# Altium PCB Copy of GameBoard_V1I1_083018.PcbDoc (part 12 of 21)
Units mil, origin at the board's own origin, x right, y up, seen from the top; angles counter-clockwise.
Board outline 7165.35 x 2763.78 mil, 12 copper layers (L1, L2, L3, L4, L5 (PWR), L6 (PWR), L7 (PWR), L8 (PWR), L9, L10, L11, L12), stack 61.575 mil thick; 1542 components, 1068 nets, 5447 pads, 3797 vias.
Unrouted connection lines stored in the file: 105.
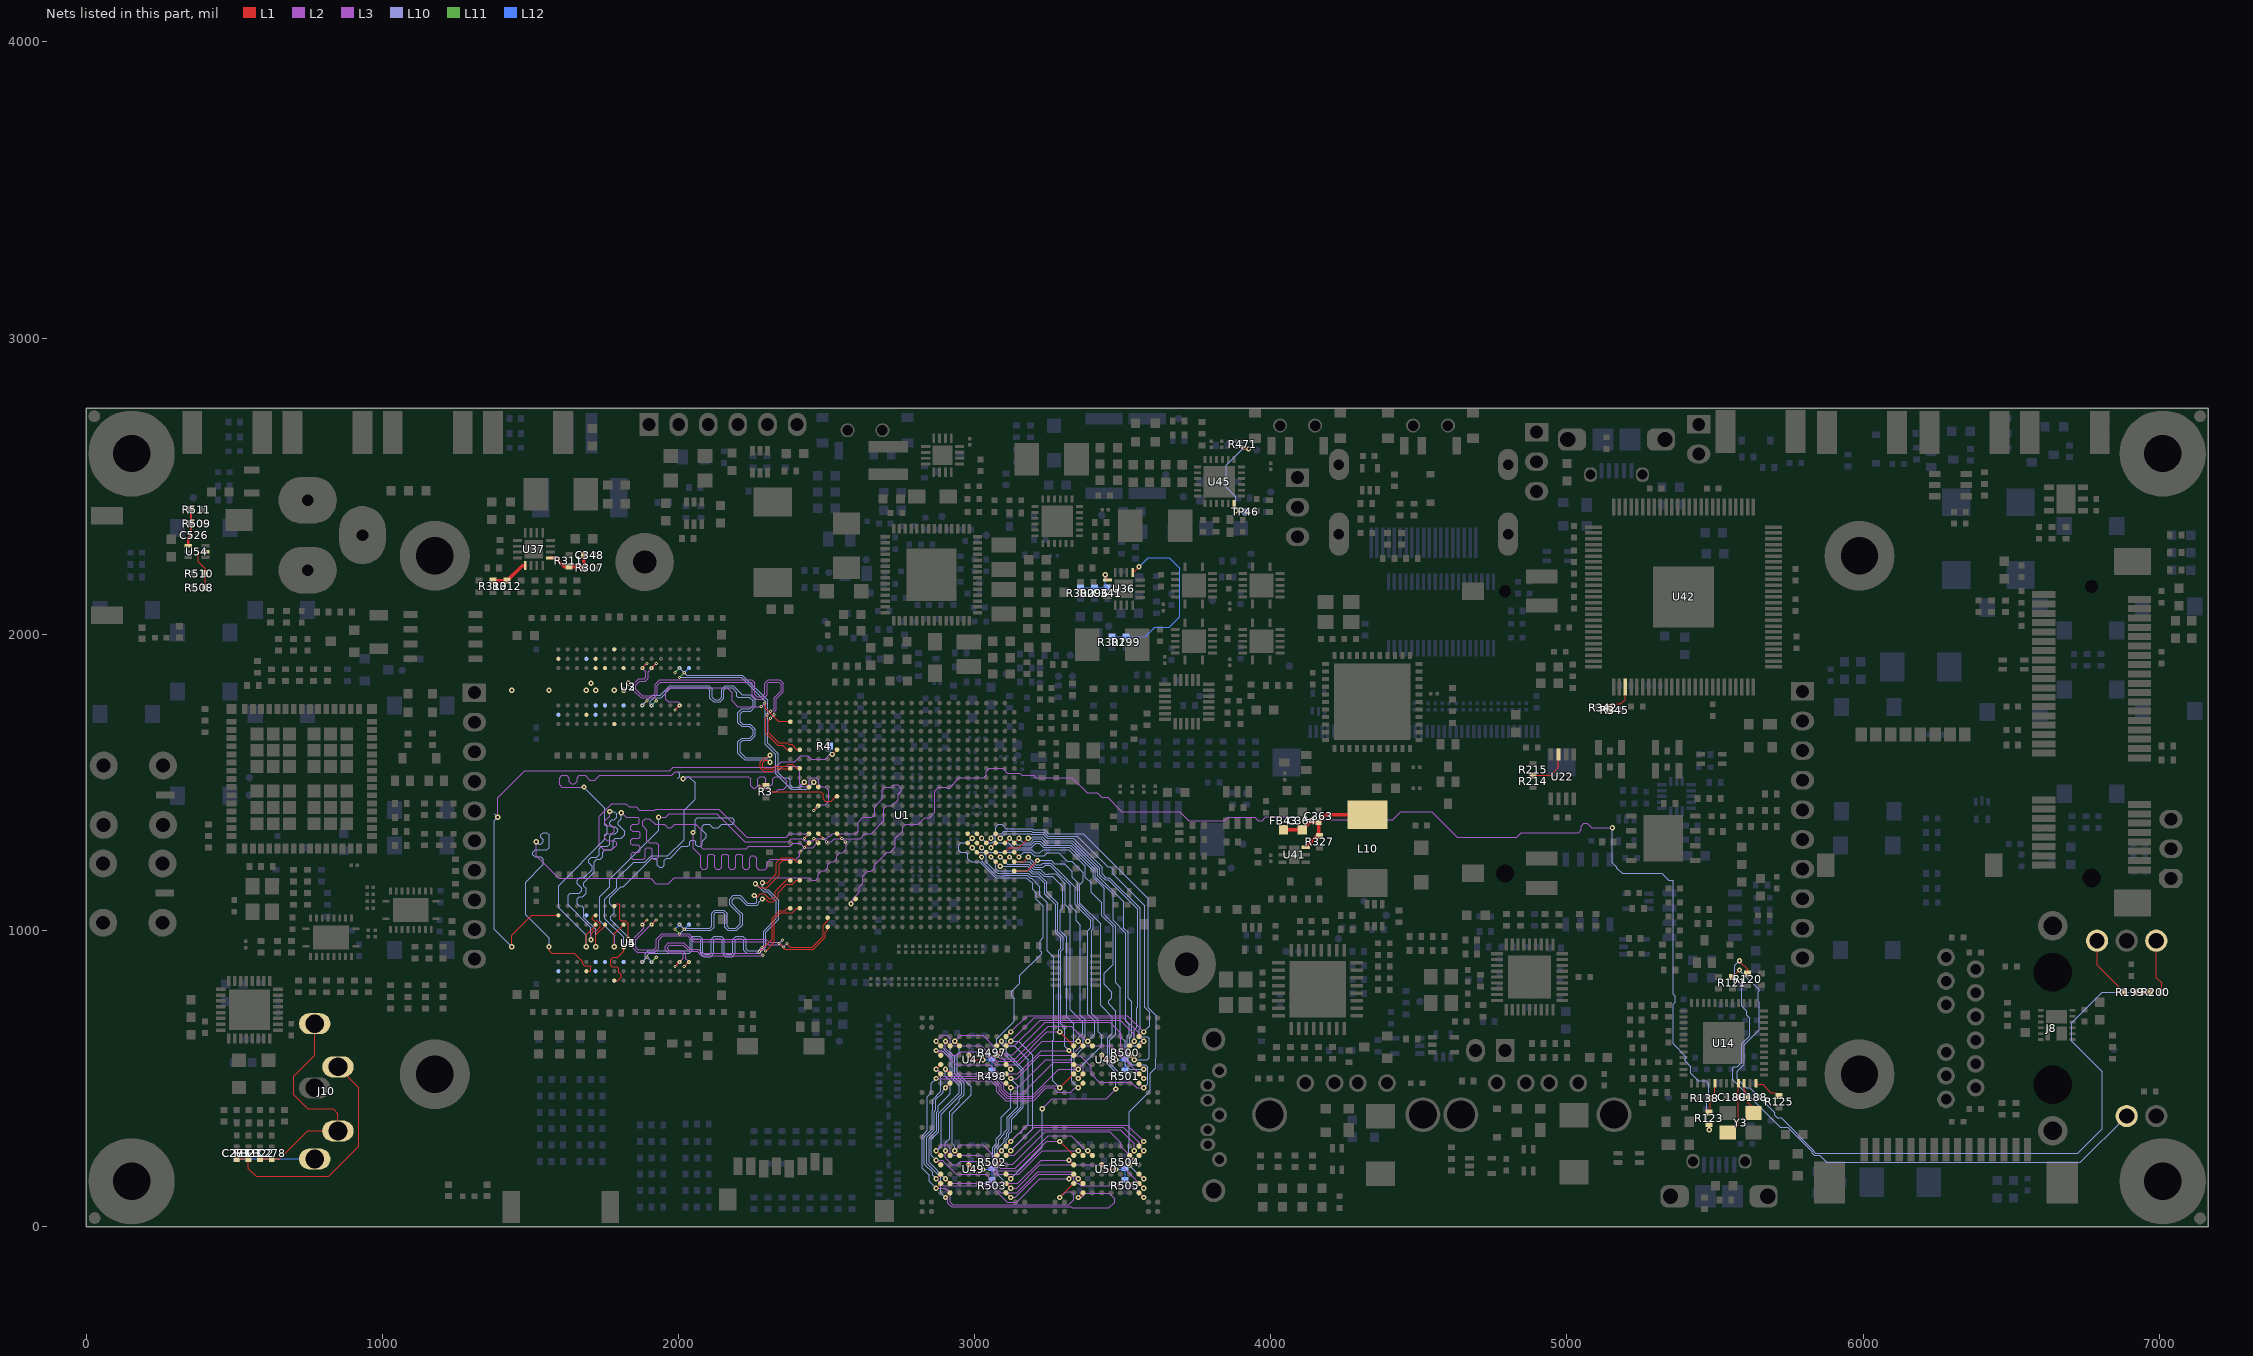
[diagram p22: the nets of this part, all layers, seen from the top]

## Via types
v1: diameter 17.72, hole 7.87, L1 to L12, 1936 vias
v2: diameter 17.72, hole 7.87, L1 to L12, tented both sides, 999 vias
v3: diameter 10.63, hole 3.94, L1 to L2, 337 vias
v4: diameter 10.63, hole 3.94, L2 to L3, 335 vias
v5: diameter 10.63, hole 3.94, L10 to L11, 96 vias
v6: diameter 10.63, hole 3.94, L11 to L12, 94 vias

## Nets (pads, with @x,y where several pads share a name; then routed paths per layer and width w, separated by ;. In a path a pad name is that pad's centre, name@x,y a point inside that pad or via, vN(x,y) a via of type N, cw(c..) or ccw(c..) an arc to the next point about the centre after c; other vN are vias at no path point) (continued)
DRAM_DQS0_P: U1.AE3 U2.C7 | length 646.1
  L1 w3.66: v3(1988.19,1744.1) v4(2003.94,1759.84)
  L1 w3.94: v3(2291.34,1767.72) 2295.28,1763.78 2295.28,1748.03 2303.74,1739.57 2303.86,1739.57 2310.43,1732.99 2310.43,1732.87 2315.55,1727.76 2315.67,1727.76 2322.24,1721.18 2322.24,1721.06 2336.61,1706.69 2375.98,1706.69 U1.AE3@2377.95,1704.73
  L3 w3.94: 2011.75,1759.84 1999.94,1771.65 1965.24,1771.65 1956.69,1780.2 1956.69,1806.41 1969.18,1818.9 2164.68,1818.9 2181.1,1802.47 2181.1,1775.59 2200.79,1755.91 v4(2279.53,1755.91) v4@2282.79,1755.91
  L2 w3.94: v3(1988.19,1744.1) v4(2003.94,1759.84) ; v4(2279.53,1755.91) v3(2291.34,1767.72)
DRAM_DQS1_N: U1.AE6 U2.G3 | length 1088.9
  L1 w3.66: v4(1877.95,1885.83) v3(1893.7,1901.57)
  L1 w3.94: v3(2299.21,1728.35) 2299.21,1720.47 2295.28,1716.54 2295.28,1666.03 2335.32,1625.98 2352.36,1625.98 2368.11,1610.24 U1.AE6@2377.95,1610.24
  L3 w3.94: v4(1877.95,1885.83) 1889.76,1874.02 1889.76,1854.9 1884.27,1849.41 1866.82,1849.41 1848.12,1830.71 1848.12,1811.44 1874.51,1785.04 1917.04,1785.04 1929.13,1797.13 1929.13,1827.45 1940.27,1838.58 2244.09,1838.58 2250,1832.68 2250,1793.98 2262.82,1781.16 2285.1,1781.16 2299.21,1795.28 2299.21,1832.06 2305.74,1838.58 2338.58,1838.58 2346.46,1830.71 2346.46,1808.95 2322.83,1785.33 2322.83,1749.18 2313.81,1740.16 v4(2311.02,1740.16)
  L2 w3.94: v4(1877.95,1885.83) v3(1893.7,1901.57) ; v3(2299.21,1728.35) v4(2311.02,1740.16)
DRAM_DQS1_P: U1.AD6 U2.F3 | length 1108.9
  L1 w3.66: v4(1909.45,1885.83) v3(1925.2,1901.57)
  L1 w3.94: v3(2311.02,1716.53) 2303.15,1708.66 2303.15,1669.29 2338.58,1633.86 2366.34,1633.86 2372.25,1627.95 2381.89,1627.95 2399.61,1610.24 U1.AD6@2409.45,1610.24
  L3 w3.94: v4(1909.45,1885.83) 1897.64,1874.02 1897.64,1851.64 1887.53,1841.54 1870.08,1841.54 1855.99,1827.45 1855.99,1814.7 1877.78,1792.91 1913.78,1792.91 1921.26,1800.39 1921.26,1830.71 1937.01,1846.46 2247.36,1846.46 2257.87,1835.94 2257.87,1797.24 2266.09,1789.03 2281.83,1789.03 2291.34,1798.54 2291.34,1835.32 2302.47,1846.46 2341.84,1846.46 2354.33,1833.97 2354.33,1805.69 2330.71,1782.07 2330.71,1745.92 2322.83,1738.04 v4(2322.83,1728.35)
  L2 w3.94: v4(1909.45,1885.83) v3(1925.2,1901.57) ; v3(2311.02,1716.53) v4(2322.83,1728.35)
DRAM_DQS2_N: U1.AE8 U3.G3 | length 1118.6
  L1 w3.94: v2(2309.06,1591.54) 2300.2,1582.68 2289.06,1582.68 2276.57,1570.19 2276.57,1548.9 2288.08,1537.4 2317.91,1537.4 2326.77,1546.26 2368.32,1546.26 2371.27,1543.31 2374.02,1543.31 U1.AE8@2377.95,1547.24
  L10 w3.94: v5(1877.95,1759.84) 1912.4,1794.29 1937.99,1794.29 1954.72,1811.02 ; 1954.72,1811.02 1970.47,1826.77 2101.69,1826.77 2114.17,1814.29 2114.17,1787.4 2122.05,1779.53 2138.47,1779.53 2145.67,1786.73 2145.67,1814.29 2158.16,1826.77 2184.36,1826.77 2215.93,1795.2 2242.82,1795.2 2259.84,1778.18 2259.84,1756.58 2243.42,1740.16 2216.54,1740.16 2208.66,1732.28 2208.66,1704.72 2216.61,1696.78 2242.82,1696.78 2259.84,1679.75 2259.84,1658.16 2243.42,1641.73 2216.54,1641.73 2208.66,1633.86 2208.66,1601.69 2226.69,1583.66 2301.18,1583.66 v2(2309.06,1591.54)
  L11 w3.94: v5(1877.95,1759.84) v6(1893.7,1775.59)
  L12 w3.66: v5(1877.95,1759.84) v6(1893.7,1775.59)
DRAM_DQS2_P: U1.AD8 U3.F3 | length 1114.7
  L1 w3.94: v2(2309.06,1567.91) 2302.17,1574.8 2292.32,1574.8 2284.45,1566.93 2284.45,1552.17 2291.34,1545.28 2314.65,1545.28 2324.49,1555.12 2366.34,1555.12 2372.25,1561.02 2383.66,1561.02 2397.44,1547.24 U1.AD8@2409.45,1547.24
  L10 w3.94: v5(1909.45,1759.84) 1905.51,1763.78 1905.51,1773.62 1918.31,1786.42 1941.25,1786.42 1973.73,1818.9 2098.43,1818.9 2106.3,1811.02 2106.3,1784.14 2118.79,1771.65 2141.73,1771.65 2153.54,1783.46 2153.54,1811.02 2161.42,1818.9 2181.1,1818.9 2196.85,1803.15 2196.85,1791.34 2200.86,1787.33 2239.56,1787.33 2251.97,1774.92 2251.97,1759.84 2240.16,1748.03 2213.27,1748.03 2200.79,1735.55 2200.79,1701.46 2213.35,1688.9 2239.56,1688.9 2251.97,1676.49 2251.97,1661.42 2240.16,1649.61 2213.27,1649.61 2200.79,1637.12 2200.79,1598.43 2208.66,1590.55 2223.43,1575.79 2301.18,1575.79 v2(2309.06,1567.91)
  L11 w3.94: v5(1909.45,1759.84) v6(1925.2,1775.59)
  L12 w3.66: v5(1909.45,1759.84) v6(1925.2,1775.59)
DRAM_DQS3_N: U1.AB10 U3.B7 | length 808.3
  L1 w3.66: v2(2456.69,1500) U1.AB10@2472.44,1484.25
  L10 w3.94: v5(2003.94,1854.33) 2212.6,1854.33 2292.97,1773.96 2292.97,1628.97 2328.74,1593.19 2328.74,1529.22 2381.58,1476.38 2433.07,1476.38 v2(2456.69,1500)
  L11 w3.94: v5(2003.94,1854.33) v6(2019.69,1870.08)
  L12 w3.66: v6(2019.69,1870.08) U3.B7@2035.43,1885.83
DRAM_DQS3_P: U1.AC10 U3.C7 | length 793.1
  L1 w3.66: v2(2425.2,1500) U1.AC10@2440.94,1484.25
  L10 w3.94: v5(2003.94,1885.83) 2027.56,1862.2 2215.86,1862.2 2300.84,1777.22 2300.84,1632.23 2336.61,1596.46 2336.61,1532.48 2354.33,1514.76 2371.06,1514.76 2377.46,1508.37 2377.46,1491.63 2384.84,1484.25 2409.45,1484.25 v2(2425.2,1500)
  L11 w3.94: v6(1988.19,1870.08) v5(2003.94,1885.83)
  L12 w3.66: v6(1988.19,1870.08) v5(2003.94,1885.83)
DRAM_DQS4_N: U1.AE18 U5.G3 | length 1218.8
  L1 w3.54: v2(2259.84,1157.48) 2263.46,1157.48 2276.45,1144.49 2298.03,1144.49 2340.55,1187.01 2340.55,1224.27 2352.5,1236.22 2374.02,1236.22 U1.AE18@2377.95,1232.28
  L10 w3.94: v5(1877.95,893.7) 1887.8,903.54 1887.8,920.58 1898.31,931.1 2033.46,931.1 2039.37,937.01 2039.37,970.78 2048.9,980.31 2072.16,980.31 2082.68,969.8 2082.68,925.51 2088.58,919.6 2105.31,919.6 2111.22,925.51 2111.22,969.8 2121.74,980.31 2144.99,980.31 2155.51,969.8 2155.51,925.51 2161.42,919.6 2178.15,919.6 2184.05,925.51 2184.05,969.8 2194.57,980.31 2217.83,980.31 2228.35,969.8 2228.35,937.01 2234.25,931.1 2269.69,931.1 2287.4,948.82 2287.4,997.54 2330.71,1040.85 2330.71,1098.43 2299.21,1129.92 2287.4,1129.92 v2(2259.84,1157.48)
  L11 w3.94: v5(1877.95,893.7) v6(1893.7,909.45)
  L12 w3.66: v5(1877.95,893.7) v6(1893.7,909.45)
DRAM_DQS4_P: U1.AD18 U5.F3 | length 1219.9
  L1 w3.54: v2(2283.46,1161.42) 2301.04,1161.42 2330.71,1191.09 2330.71,1228.35 2348.43,1246.06 2383.86,1246.06 2397.64,1232.28 U1.AD18@2409.45,1232.28
  L10 w3.94: v5(1909.45,893.7) 1895.67,907.48 1895.67,917.32 1901.58,923.23 2036.73,923.23 2047.24,933.75 2047.24,967.52 2052.17,972.44 2068.9,972.44 2074.8,966.54 2074.8,922.24 2085.32,911.73 2108.58,911.73 2119.09,922.24 2119.09,966.54 2125,972.44 2141.73,972.44 2147.64,966.54 2147.64,922.24 2158.16,911.73 2181.41,911.73 2191.93,922.24 2191.93,966.54 2197.83,972.44 2214.57,972.44 2220.47,966.54 2220.47,933.75 2230.99,923.23 2272.95,923.23 2295.28,945.56 2295.28,994.28 2338.58,1037.59 2338.58,1101.69 2302.47,1137.8 2293.31,1137.8 2283.46,1147.64 v2(2283.46,1161.42)
  L11 w3.94: v5(1909.45,893.7) v6(1925.2,909.45)
  L12 w3.66: v5(1909.45,893.7) v6(1925.2,909.45)
DRAM_DQS5_N: U1.AE20 U5.B7 | length 761.8
  L1 w3.54: v2(2255.91,1118.11) 2259.84,1114.17 2267.4,1114.17 2276.45,1123.23 2290.48,1123.23 2307.41,1106.3 2316.79,1106.3 2326.77,1116.28 2326.77,1131.75 2367.86,1172.84 U1.AE20@2374.41,1172.84
  L10 w3.94: v5(2003.94,1019.69) 2015.75,1007.87 2106.3,1007.87 2112.2,1013.78 2112.2,1058.07 2122.72,1068.59 2153.54,1068.59 2164.06,1058.07 2164.06,1013.78 2169.97,1007.87 2193.59,1007.87 2208.66,1022.95 2208.66,1051.18 2173.23,1086.61 2173.23,1105.62 2185.71,1118.11 2207.99,1118.11 2233.91,1092.18 2261.47,1092.18 2263.78,1094.49 2263.78,1110.24 v2(2255.91,1118.11)
  L11 w3.94: v5(2003.94,1019.69) v6(2019.69,1003.94)
  L12 w3.66: v6(2019.69,1003.94) U5.B7@2035.43,1019.69
DRAM_DQS5_P: U1.AD20 U5.C7 | length 766.4
  L1 w3.54: v2(2283.46,1106.3) 2293.49,1106.3 2303.33,1096.46 2320.87,1096.46 2336.61,1112.21 2336.61,1127.67 2364.65,1155.71 2383.58,1155.71 2397.16,1169.29 U1.AD20@2409.45,1169.29
  L10 w3.94: v5(2003.94,988.19) 2015.75,1000 2109.56,1000 2120.08,1010.52 2120.08,1054.81 2125.98,1060.71 2150.28,1060.71 2156.19,1054.81 2156.19,1010.52 2166.71,1000 2196.85,1000 2216.54,1019.68 2216.54,1054.44 2200.48,1070.5 2181.1,1089.88 2181.1,1102.36 2188.98,1110.24 2204.72,1110.24 2230.65,1084.31 2264.73,1084.31 2267.04,1086.61 2269.35,1088.92 2271.65,1091.23 2271.65,1094.49 v2(2283.46,1106.3)
  L11 w3.94: v6(1988.19,1003.94) v5(2003.94,988.19)
  L12 w3.66: v6(1988.19,1003.94) U5.C7@2003.94,1019.69
DRAM_DQS6_N: U1.AE23 U4.B7 | length 713.3
  L1 w3.66: v3(2019.69,877.95) v4(2035.43,893.7)
  L1 w3.94: v3(2273.62,928.15) 2315.95,970.47 2315.95,1040.66 2342.21,1066.93 2360.24,1066.93 2368.11,1074.8 U1.AE23@2377.95,1074.8
  L3 w3.94: v4(2035.43,893.7) 2024.61,904.53 2024.61,921.57 2014.09,932.09 1969.49,932.09 1963.58,937.99 1963.58,943.9 1969.49,949.8 2015.44,949.8 2036.11,929.13 2062.99,929.13 2077.76,914.37 2283.46,914.37 v4(2285.43,916.34)
  L2 w3.94: v3(2019.69,877.95) v4(2035.43,893.7) ; v3(2273.62,928.15) v4(2285.43,916.34)
DRAM_DQS6_P: U1.AD23 U4.C7 | length 746
  L1 w3.66: v3(1988.19,877.95) v4(2003.94,893.7)
  L1 w3.94: v3(2294.29,930.12) 2323.82,959.65 2323.82,1037.4 2345.47,1059.06 2383.86,1059.06 2399.61,1074.8 U1.AD23@2409.45,1074.8
  L3 w3.94: v4(2003.94,893.7) 2016.73,906.5 2016.73,918.31 2010.83,924.21 1966.23,924.21 1955.71,934.73 1955.71,947.16 1966.23,957.68 2018.7,957.68 2039.37,937.01 2066.25,937.01 2081.02,922.24 2262.8,922.24 v4(2282.48,941.93)
  L2 w3.94: v3(1988.19,877.95) v4(2003.94,893.7) ; v4(2282.48,941.93) v3(2294.29,930.12)
DRAM_DQS7_N: U1.AA24 U4.G3 | length 935.1
  L1 w3.66: v4(1877.95,1019.68) v3(1893.7,1035.43)
  L1 w3.94: v3(2366.14,955.71) 2377.95,943.9 2451.77,943.9 2488.19,980.32 2488.19,1017.72 2503.94,1033.46 U1.AA24@2503.94,1043.31
  L3 w3.94: v4(1877.95,1019.68) 1882.72,1014.92 1882.72,1007.04 1847.44,971.77 1847.44,940.64 1860.91,927.17 1920.58,927.17 1933.07,939.65 1933.07,967.52 1946.85,981.3 2032.17,981.3 2050.87,962.6 2292.01,962.6 2302.84,951.77 2346.46,951.77 v4(2354.33,943.9)
  L2 w3.94: v4(1877.95,1019.68) v3(1893.7,1035.43) ; v4(2354.33,943.9) v3(2366.14,955.71)
DRAM_DQS7_P: U1.AA25 U4.F3 | length 936.2
  L1 w3.66: v4(1909.45,1019.68) v3(1925.2,1035.43)
  L1 w3.94: v3@2338.58,956.69 v3(2339.57,955.71) 2359.25,936.02 2455.03,936.02 2496.06,977.05 2496.06,994.09 2503.94,1001.97 U1.AA25@2503.94,1011.81
  L3 w3.94: v4(1909.45,1019.68) 1906.5,1019.68 1855.32,968.5 1855.32,943.9 1864.17,935.04 1917.32,935.04 1925.2,942.91 1925.2,970.78 1943.59,989.17 2035.43,989.17 2054.13,970.47 2295.28,970.47 2306.1,959.65 2343.5,959.65 v4(2351.38,967.52)
  L2 w3.94: v4(1909.45,1019.68) v3(1925.2,1035.43) ; v3(2339.57,955.71) v4(2351.38,967.52)
DRAM_RAS_B: U1.AB15 U2.J3 U3.J3 U4.J3 U5.J3 | length 2041
  L1 w3.66: v2@1783.53,944.88 1783.53,988.19 U4.J3@1815.03,1019.68 ; U1.AB15@2472.44,1326.77 v3(2488.19,1311.02)
  L3 w3.94: v2(1933.07,1381.89) 1956.69,1381.89 1968.5,1393.7 2129.25,1393.7 2223.73,1299.21 2370.24,1299.21 2381.06,1310.04 2417.42,1310.04 2424.9,1302.56 2455.98,1302.56 2463.86,1310.43 2498.73,1310.43 2507.2,1318.9 2511.93,1318.9 2519.81,1326.77 2597.8,1326.77 2606.3,1335.28 2606.3,1366.14 2622.68,1382.52 2653.54,1382.52 2662.4,1391.38 2662.4,1418.31 2688.98,1444.88 2688.98,1475.26 2696.99,1483.27 2719.54,1483.27 2728.4,1492.13 2740.16,1492.13 2751.97,1480.31 2751.97,1470.47 2742.13,1460.63 2742.13,1441.93 2720.47,1420.28 2702.55,1420.28 2693.9,1411.63 2693.9,1369.87 2650.8,1326.77 2629.92,1326.77 2613.58,1310.43 2526.85,1310.43 2515.63,1299.21 v4(2500,1299.21)
  L10 w3.66: 1734.53,1054.56 1734.53,1032.45 1784.59,982.39 1784.59,946 v2(1783.46,944.88) ; 1734.53,1079.3 1734.53,1086.05 ; 1734.55,1054.58 1734.55,1079.28 ; 1734.55,1086.07 1734.55,1114.17 1767.72,1147.34 1767.72,1173.23 1933.07,1338.58 v2(1933.07,1381.89)
  L2 w3.94: v3(2488.19,1311.02) v4(2500,1299.21)
  other v2: 1783.46,1811.02
DRAM_RESET_B: R4.2 U1.Y6 U2.T2 U3.T2 U4.T2 U5.T2 | length 2027.7
  L1 w3.66: v2@1437.07,944.88 1437.07,984.25 1504,1051.18 U4.T2@1594.55,1051.18 ; v2(2519.69,1594.49) U1.Y6@2535.43,1610.24
  L3 w3.66: v2(1389.76,1381.89) 1389.76,1448.82 1480.45,1539.51 1971.12,1539.51 1982.65,1551.04 2327.66,1551.04 2346.36,1569.74 2392.58,1569.74 2413.39,1590.55 2437.01,1590.55 2448.82,1578.74 2494.94,1578.74 2510.69,1594.49 v2(2519.69,1594.49)
  L10 w3.66: 1377.95,1393.7 v2(1389.76,1381.89) 1377.95,1370.08 1377.95,1003.94 v2(1437.01,944.88)
  L12 w3.66: R4.2@2511.81,1622.05 2511.81,1602.36 v2(2519.69,1594.49)
  other v2: 1437.01,1811.02
DRAM_SDBA0: U1.AC15 U2.M2 U3.M2 U4.M2 U5.M2 | length 1976.1
  L1 w3.66: v2(1704.72,968.5) 1704.79,989.54 1714.27,999.02 1723.49,999.02 1736.29,1011.81 1736.29,1022.03 1725.84,1032.48 1715.62,1032.48 1709.71,1038.39 1709.71,1045.27 1714.63,1050.2 U4.M2@1721.52,1050.2 ; v3(2425.2,1311.02) U1.AC15@2440.94,1326.77
  L3 w3.94: v2(1767.72,1401.57) 1767.72,1385.83 1751.97,1370.08 1751.97,1362.2 1759.84,1354.33 1775.59,1354.33 1783.46,1346.46 1783.46,1334.65 1775.59,1326.77 1759.84,1326.77 1751.97,1318.9 1751.97,1311.02 1759.84,1303.15 1783.46,1303.15 1791.34,1295.28 1791.34,1287.4 1775.59,1271.65 1748.03,1271.65 1732.28,1287.4 1732.28,1385.83 1774.61,1428.15 1822.76,1428.15 1833.58,1417.32 1856.71,1417.32 1868.02,1406.01 1919.39,1406.01 1922.82,1409.45 2135.77,1409.45 2230.26,1314.96 2363.71,1314.96 2374.93,1326.18 2433.66,1326.18 v4(2437.01,1322.84)
  L10 w3.66: 1661.42,1153.54 1673.23,1141.73 1673.23,1133.86 1665.35,1125.98 1633.86,1125.98 1627.11,1119.23 1627.11,1086.14 1704.72,1008.52 v2(1704.72,968.5)
  L10 w3.94: 1661.42,1153.54 1657.48,1157.48 1657.48,1169.29 1665.35,1177.17 1681.1,1177.17 1708.66,1204.72 1708.66,1216.54 1696.85,1228.35 1696.85,1239.06 1705.27,1247.48 1724.41,1247.48 1732.56,1255.63 1732.56,1275.86 1740.16,1283.46 1760.39,1283.46 1767.72,1290.79 1767.72,1318.9 1775.59,1326.77 1787.4,1326.77 1795.28,1334.65 1795.28,1342.52 1787.4,1350.39 1775.59,1350.39 1767.72,1358.27 1767.72,1366.14 1775.59,1374.02 1783.46,1374.02 1791.34,1381.89 1791.34,1393.7 1783.46,1401.57 v2(1767.72,1401.57)
  L2 w3.94: v3(2425.2,1311.02) v4(2437.01,1322.84)
  other v2: 1704.72,1834.65
DRAM_SDBA1: U1.Y15 U2.N8 U3.N8 U4.N8 U5.N8 | length 2076.9
  L1 w3.66: v2@1563.06,944.88 1563.06,932.09 1572.9,922.24 1648.69,922.24 1676.25,894.68 1676.25,886.81 1682.15,880.9 1699.87,880.9 1703.81,876.97 1703.81,866.14 1699.87,862.2 U4.N8@1689.04,862.2 ; U1.Y15@2535.43,1326.77 v3(2551.18,1311.02)
  L3 w3.94: v2(1519.68,1299.21) 1519.68,1251.97 1595.47,1176.18 1906.5,1176.18 1924.21,1158.46 1965.55,1158.46 1985.03,1177.94 2442.91,1177.94 2450.58,1170.28 2462.81,1170.28 2471.46,1178.92 2471.46,1189.19 2484.04,1201.77 2494.3,1201.77 2503.94,1211.41 2503.94,1221.67 2513.57,1231.3 2523.83,1231.3 2534.45,1241.92 2534.45,1252.18 2545.07,1262.8 2555.33,1262.8 2565.95,1273.41 2565.95,1296.26 v4(2562.99,1299.21)
  L10 w3.66: v2(1519.68,1299.21) 1527.56,1291.34 1535.43,1291.34 1543.31,1299.21 1543.31,1307.09 1535.43,1314.96 1535.43,1322.83 1543.31,1330.71 1555.12,1330.71 1562.99,1322.83 1562.99,1279.53 1555.12,1271.65 1515.75,1271.65 1507.87,1263.78 1507.87,1255.91 1515.75,1248.03 1535.43,1248.03 1543.31,1240.16 1543.31,1222.72 1483.98,1163.39 1483.98,1052.52 1562.99,973.51 v2(1562.99,944.88)
  L2 w3.94: v3(2551.18,1311.02) v4(2562.99,1299.21)
  other v2: 1562.99,1811.02
DRAM_SDBA2: U1.AB12 U2.M3 U3.M3 U4.M3 U5.M3 | length 2077.3
  L1 w3.66: v2@1689.04,944.88 1689.04,984.93 1720.54,1016.42 U4.M3@1720.54,1019.68 ; v3(2456.69,1405.51) U1.AB12@2472.44,1421.26
  L3 w3.94: v2(1681.1,1484.25) 1606.3,1484.25 1598.43,1492.13 1598.43,1515.75 1606.3,1523.62 1622.05,1523.62 1629.92,1515.75 1629.92,1503.94 1637.8,1496.06 1649.61,1496.06 1657.48,1503.94 1657.48,1515.75 1665.35,1523.62 1685.04,1523.62 1700.79,1507.87 1717.49,1507.87 1733.51,1523.9 1977.58,1523.9 1989.12,1535.43 2334.13,1535.43 2352.83,1554.13 2402.56,1554.13 2409.45,1547.24 2409.45,1494.87 2419.08,1485.24 2434.06,1485.24 2441.93,1493.11 2441.93,1506.12 2450.58,1514.76 2465.55,1514.76 2471.46,1508.86 2471.46,1495.85 2482.07,1485.24 2495.08,1485.24 2507.87,1472.44 2507.87,1437.01 2496.06,1425.2 2476.38,1425.2 v4(2468.5,1417.32)
  L10 w3.66: v2(1681.1,1484.25) 1751.95,1413.4 1751.95,1406.4 1751.97,1357.23 1759.84,1349.36 1759.84,1330.71 1751.97,1322.83 1751.97,1308.09 1595.61,1151.73 1595.61,1077.46 1688.98,984.09 v2(1688.98,944.88)
  L2 w3.94: v3(2456.69,1405.51) v4(2468.5,1417.32)
  other v2: 1688.98,1811.02
DRAM_SDCKE0: R3.2 U1.Y11 U2.K9 U3.K9 U4.K9 U5.K9 | length 1917.8
  L1 w3.66: U4.K9@1783.53,830.71 1795.34,830.71 1807.15,842.52 1807.15,850.39 1799.28,858.27 1799.28,870.08 1792.39,876.97 1775.66,876.97 1770.74,881.89 1770.74,900.59 1779.59,909.45 1795.34,909.45 1815.03,929.13 v2@1815.03,944.88 ; v3(2271.65,1488.19) R3.2@2295.28,1488.19 2314.96,1468.5 2480.32,1468.5 2488.19,1460.63 2488.19,1444.88 2496.06,1437.01 2515.75,1437.01 2531.5,1452.76 U1.Y11@2535.43,1452.76
  L3 w3.94: v2(2015.75,1511.81) 2025.49,1511.81 2033.37,1519.68 2236.22,1519.68 2244.09,1511.81 2244.09,1488.19 2251.97,1480.31 2259.84,1480.31 2267.72,1488.19 2267.72,1511.81 2275.59,1519.68 2287.4,1519.68 2295.28,1511.81 2295.28,1496.06 2303.15,1488.19 2311.02,1488.19 2318.9,1496.06 2318.9,1511.81 2326.77,1519.68 2350.39,1519.68 2366.14,1503.94 2366.14,1486.9 2355.62,1476.38 2338.58,1476.38 2330.71,1468.5 2307.09,1468.5 2299.21,1476.38 v4(2283.47,1476.38)
  L10 w3.15: v2(1814.96,944.88) 1814.96,976.38 1751.97,1039.37 1751.97,1105.62 1791.34,1144.99 1791.34,1173.87 1848.38,1230.91 1886.88,1230.91 1907.94,1251.97 1964.57,1251.97 2019.68,1307.09 2019.68,1405.51 2057.09,1442.91 2057.09,1497.93 2035.33,1519.69 2023.62,1519.69 v2(2015.75,1511.81) ; 1998.03,1513.78 2003.94,1519.69 2003.94,1529.53 1998.03,1535.43
  L2 w3.94: v3(2271.65,1488.19) v4(2283.47,1476.38)
  other v2: 1814.96,1811.02
DRAM_SDODT0: U1.AC16 U2.K1 U3.K1 U4.K1 U5.K1 | length 2076.7
  L1 w3.66: U4.K1@1783.53,1082.68 1791.4,1090.55 1798.29,1090.55 1802.23,1086.61 1802.23,1037.4 1807.15,1032.48 1820.33,1032.48 1830.77,1022.03 v2@1830.77,968.5 ; v3(2425.2,1279.53) U1.AC16@2440.94,1295.28
  L3 w3.94: v2(2049.21,1330.71) 2049.21,1277.56 2074.8,1251.97 2074.8,1213.07 2080.71,1207.17 2092.52,1207.17 2098.43,1213.07 2098.43,1251.97 2104.33,1257.87 2116.14,1257.87 2122.05,1251.97 2122.05,1213.07 2127.95,1207.17 2139.76,1207.17 2145.67,1213.07 2145.67,1251.97 2151.58,1257.87 2163.39,1257.87 2169.29,1251.97 2169.29,1213.07 2175.2,1207.17 2187.01,1207.17 2192.91,1213.07 2192.91,1251.97 2198.82,1257.87 2210.63,1257.87 2216.54,1251.97 2216.54,1213.07 2222.44,1207.17 2234.25,1207.17 2240.16,1213.07 2240.16,1246.06 2246.06,1251.97 2255.91,1251.97 2263.78,1244.09 2263.78,1212.6 2271.65,1204.72 2291.34,1204.72 2299.21,1212.6 2299.21,1228.35 2311.02,1240.16 2397.64,1240.16 2410.43,1252.95 2410.43,1264.76 v4(2413.39,1267.72)
  L10 w3.15: v2(1830.71,968.5) 1830.71,976.38 1771.65,1035.43 1771.65,1048.23 1782.48,1059.06 1782.48,1075.79 1767.72,1090.55 1767.72,1110.24 1804.53,1147.05 1813.04,1147.05 1910.09,1244.09 1921.26,1244.09 1929.13,1236.22 1929.13,1220.47 1937.01,1212.6 1945.56,1212.6 1952.76,1219.8 1952.76,1236.22 1960.63,1244.09 1972.44,1244.09 2011.81,1283.46 2031.5,1283.46 2037.4,1289.37 2037.4,1299.21 2043.31,1305.12 2053.15,1305.12 2059.05,1299.21 2059.05,1289.37 2064.96,1283.46 2074.8,1283.46 2080.71,1289.37 2080.71,1301.18 2094.49,1314.96 2094.49,1324.8 2080.71,1338.58 2080.71,1352.36 2086.61,1358.27 2104.33,1358.27 2116.14,1346.46 2133.86,1346.46 2145.67,1358.27 2181.1,1358.27 2188.98,1366.14 2188.98,1372.78 2181.84,1379.92 ; v2(2049.21,1330.71) 2057.08,1338.58 2057.08,1374.02 2062.99,1379.92 2181.1,1379.92
  L2 w3.94: v4(2413.39,1267.72) v3(2425.2,1279.53)
  other v2: 1830.71,1834.65
DRAM_WE_B: U1.AB16 U2.L3 U3.L3 U4.L3 U5.L3 | length 2078.8
  L1 w3.66: v2@1720.54,944.88 1720.54,984.93 1752.03,1016.42 U4.L3@1752.03,1019.68 ; v3(2456.69,1311.02) U1.AB16@2472.44,1295.28
  L3 w3.94: v2(1807.09,1397.64) 1823.09,1381.64 1862.46,1381.64 1868.11,1375.98 1868.11,1364.17 1862.2,1358.27 ; 1846.46,1263.71 1865.76,1263.53 1871.67,1269.43 1871.67,1281.25 1865.76,1287.15 1845.53,1287.15 1839.63,1293.06 1839.63,1304.87 1845.53,1310.77 1865.22,1310.77 1871.12,1316.68 1871.12,1328.49 1865.22,1334.39 1845.53,1334.39 1839.63,1340.3 1839.63,1352.11 1845.53,1358.02 1862.2,1358.02 ; 1846.46,1263.78 1840.55,1257.87 1840.55,1246.06 1846.46,1240.16 1881.89,1240.16 1887.8,1246.06 1887.8,1274.16 1893.7,1280.07 1905.51,1280.07 1911.42,1274.16 1911.42,1246.06 1917.32,1240.16 1925.2,1240.16 1933.07,1248.03 1933.07,1287.4 1925.2,1295.28 1901.57,1295.28 1893.7,1303.15 1893.7,1338.58 1878.94,1353.35 1878.94,1368.32 1888.57,1377.95 1901.57,1377.95 1921.26,1358.27 1952.76,1358.27 1964.57,1346.46 1976.38,1346.46 1988.19,1358.27 2059.06,1358.27 2076.77,1340.55 2076.77,1281.5 2082.68,1275.59 2229.02,1275.59 2236.9,1283.46 2267.72,1283.46 2273,1283.46 2376.76,1283.46 2387.59,1294.29 2410.89,1294.29 2425.19,1280 2452.76,1280 2468.5,1295.75 v4(2468.5,1299.21)